# Altium PCB TempdevAmmy0803.PcbDoc (part 3 of 4)
Units mm, origin at the board's own origin, x right, y up, seen from the top; angles counter-clockwise.
Board outline 80.01 x 100.08 mm, 2 copper layers (Top Layer, Bottom Layer); 912 components, 585 nets, 2878 pads, 106 vias.
Unrouted connection lines stored in the file: 2039.
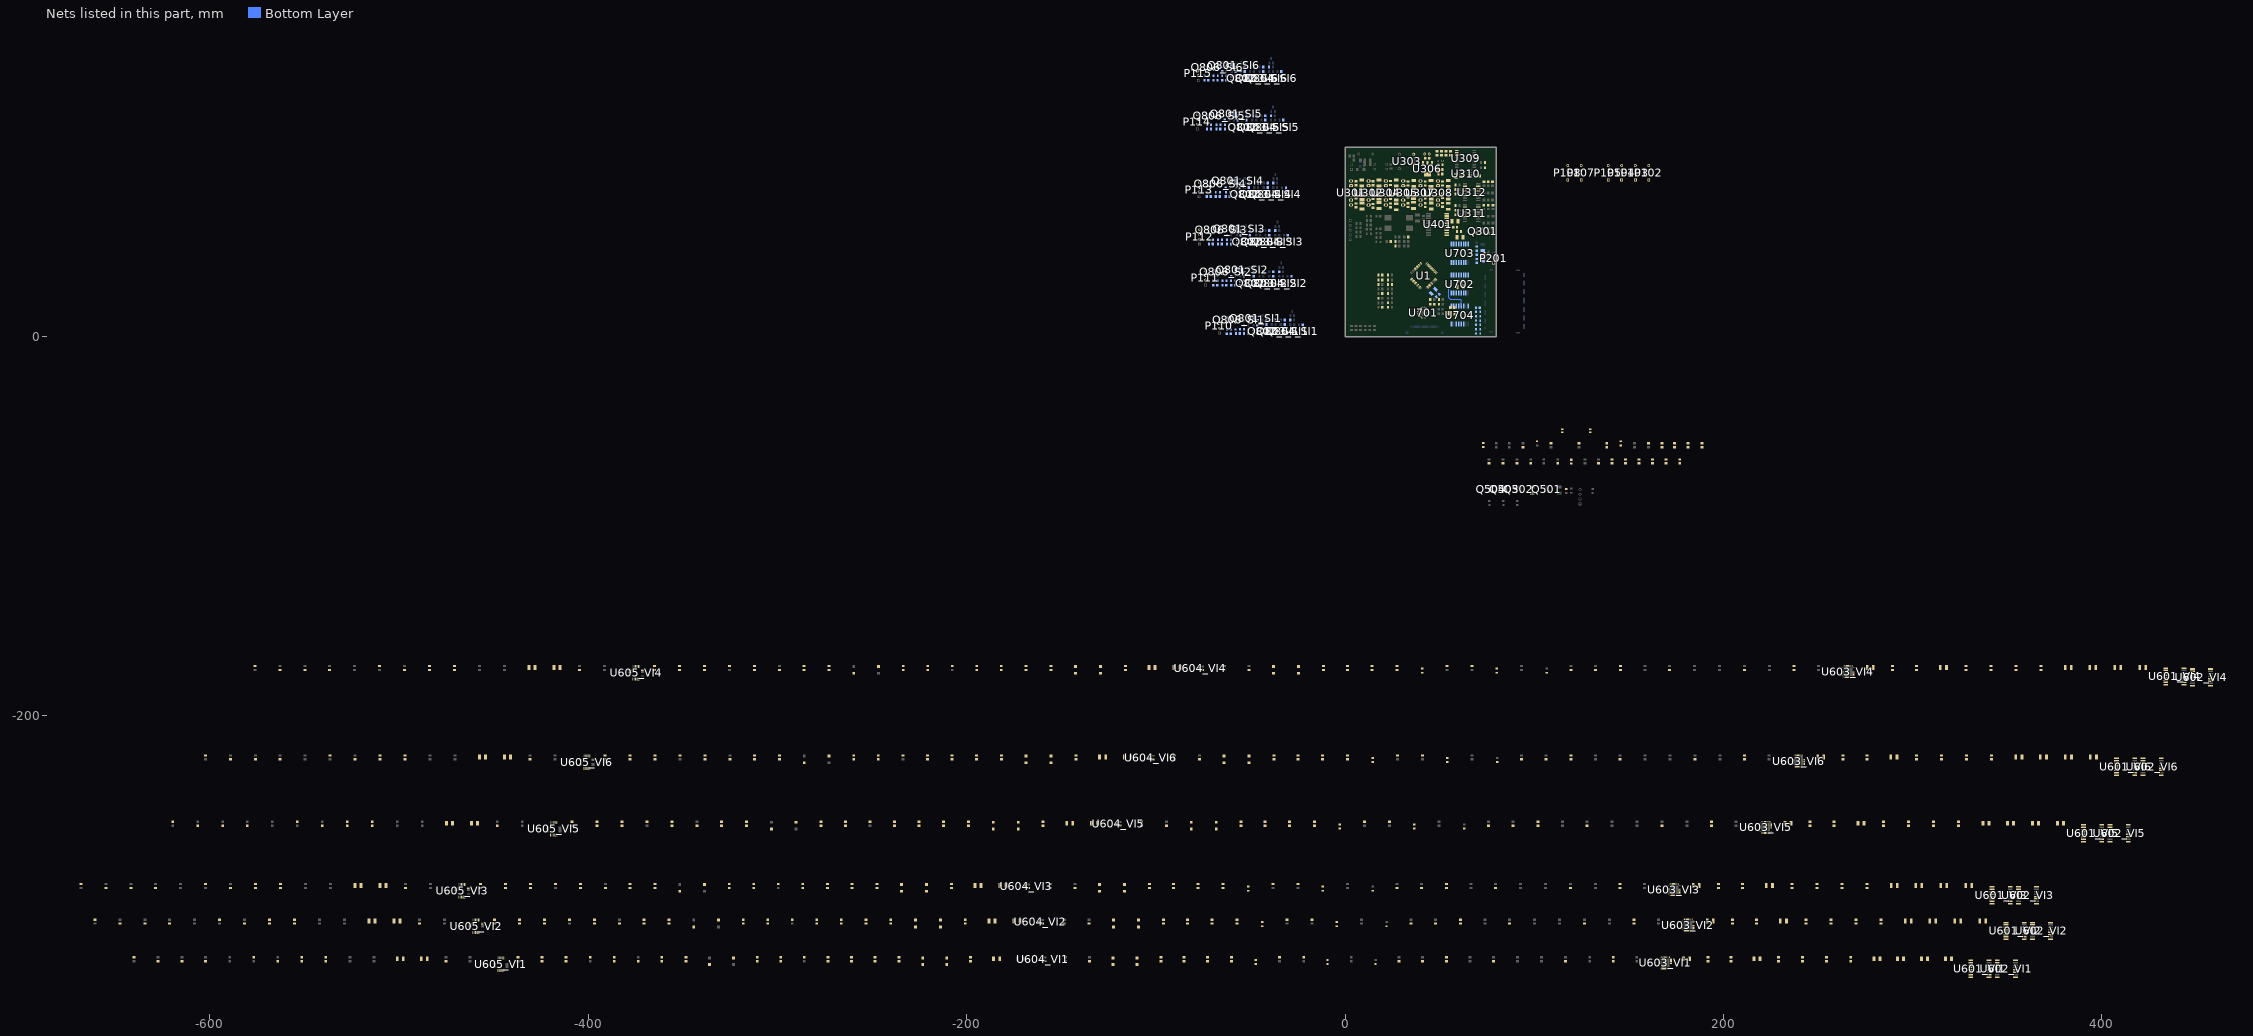
[diagram p3: the nets of this part, all layers, seen from the top]

## Footprints (in the part's own frame and the unit in brackets; to place one, negate y for a bottom-side part, rotate by r counter-clockwise, add the part's x,y. Pads: shape width x height; smd on the part's side, far side on the other; paste and mask are expansions set on the pad)
10D470K [mm]
  round 1.4 hole 0.7: 1(-3.75,0) 2(3.75,0)
  silkscreen extent -6.5,-2.7 6.5,2.7
0805c#1 [mm]
  rect 1.2x1.5 smd: 1(-1.016,0) 2(1.032,0)
  silkscreen extent -2.25,-1.14 2.25,1.14
0805c#2 [mm]
  rect 1.2x1.5 smd: 1(0,0) 2(2.048,0)
  silkscreen extent -1.02,-1.14 3.05,1.14, body extent 0.02,-0.65 2.02,0.66, height 0.73
0805C#1 [mm]
  rect 1.2x1.5 smd: 1(-1.016,0) 2(1.032,0)
  silkscreen extent -2.25,-1.14 2.25,1.14
0805C#2 [mm]
  rect 1.2x1.5 smd: 1(0,0) 2(2.048,0)
  silkscreen extent -1.02,-1.14 3.05,1.14, body extent 0.02,-0.65 2.02,0.66, height 0.73
0805r#1 [mm]
  rect 1.2x1.5 smd: 1(0,0) 2(2.048,0)
  silkscreen extent -1.02,-1.14 3.05,1.14, body extent -0.13,-0.67 2.17,0.68, height 0.76
0805r#2 [mm]
  rect 1.2x1.5 smd: 1(-1.016,0) 2(1.032,0)
  silkscreen extent -2.03,-1.14 2.03,1.14
0805R#1 [mm]
  rect 1.2x1.5 smd: 1(-1.016,0) 2(1.032,0)
  silkscreen extent -2.03,-1.14 2.03,1.14
0805R#2 [mm]
  rect 1.2x1.5 smd: 1(0,0) 2(2.048,0)
  silkscreen extent -1.02,-1.14 3.05,1.14, body extent -0.13,-0.67 2.17,0.68, height 0.76
A_S-1WR3 [mm]
  oval 1.6x2.3 hole 1: 1(0,0) 2(2.54,0) 4(7.62,0) 5(10.16,0) 6(12.7,0)
  silkscreen extent -2.85,-5.6 17.9,1.7
ACM1513-改版 [mm] "原封装引脚错了-改版将引脚更改"
  rect 3.7x2.8 smd: 1(0,0) 2(0,5.611) 3(11.468,5.611) 4(11.468,0)
  silkscreen extent -0.75,-2.54 12.19,8.26
CB [mm] "Tantalum?Capacitor"
  rect 2.5x1.524 smd: 1(0,0) 2(0,-3.2)
  silkscreen extent -1.78,-3.9 1.78,0.51, body extent -1.48,-3.5 1.52,0.2, height 1.57
CE-5*11(-) [mm]
  round 1 hole 0.5: 1(-1.25,0) 2(1.25,0)
  silkscreen extent -3.43,-2.6 3.05,2.6
CE-6.3*11.5(-) [mm]
  round 1.4 hole 0.7: 1(-1.25,0) 2(1.25,0)
  silkscreen extent -4.06,-3.2 3.68,3.2
CP-40-15(QFN40) [mm] "QFN, 40-Leads, Body 6.00x6.00mm, Pitch 0.50mm, Thermal Pad 4.60x4.60mm, IPC Low Density"
  rect 0.95x0.35 smd: 1(-2.975,2.25) 2(-2.975,1.75) 3(-2.975,1.25) 4(-2.975,0.75) 5(-2.975,0.25) 6(-2.975,-0.25) 7(-2.975,-0.75) 8(-2.975,-1.25) 9(-2.975,-1.75) 10(-2.975,-2.25) 21(2.975,-2.25) 22(2.975,-1.75) 23(2.975,-1.25) 24(2.975,-0.75) 25(2.975,-0.25) 26(2.975,0.25) 27(2.975,0.75) 28(2.975,1.25) 29(2.975,1.75) 30(2.975,2.25)
  rect 0.35x0.95 smd: 11(-2.25,-2.975) 12(-1.75,-2.975) 13(-1.25,-2.975) 14(-0.75,-2.975) 15(-0.25,-2.975) 16(0.25,-2.975) 17(0.75,-2.975) 18(1.25,-2.975) 19(1.75,-2.975) 20(2.25,-2.975) 31(2.25,2.975) 32(1.75,2.975) 33(1.25,2.975) 34(0.75,2.975) 35(0.25,2.975) 36(-0.25,2.975) 37(-0.75,2.975) 38(-1.25,2.975) 39(-1.75,2.975) 40(-2.25,2.975)
  rect 4.6x4.6 smd: 41(0,0)
  silkscreen extent -3.97,-3.2 3.2,3.2, body extent -3.1,-3.1 3.1,3.1, height 1
FPC30 [mil]
  rect 11.8x51.2 smd mask+2: 1(0.4,2.2) 2(20,2.2) 3(39.7,2.2) 4(59.3,2.2) 5(79,2.2) 6(98.7,2.2) 7(118.4,2.2) 8(138.1,2.2) 9(157.8,2.2) 10(177.5,2.2) 11(197.1,2.2) 12(216.8,2.2) 13(236.5,2.2) 14(256.2,2.2) 15(275.9,2.2) 16(295.6,2.2) 17(315.3,2.2) 18(334.9,2.2) 19(354.6,2.2) 20(374.3,2.2) 21(394,2.2) 22(413.8,2.2) 23(433.4,2.2) 24(453,2.2) 25(472.7,2.2) 26(492.4,2.2) 27(512.1,2.2) 28(531.8,2.2) 29(551.5,2.2) 30(571.2,2.2)
  rect 59.1x51.2 smd mask+2: 31(-82.3,-123.8) 32(653.9,-123.8)
  silkscreen extent -128,-175 699,-14
FPC60 [mm]
  rect 0.3x0.9 smd: 1(0.01,-0.088) 2(0.51,-0.088) 3(1.01,-0.088) 4(1.51,-0.088) 5(2.01,-0.088) 6(2.51,-0.088) 7(3.01,-0.088) 8(3.51,-0.088) 9(4.01,-0.088) 10(4.51,-0.088) 11(5.01,-0.088) 12(5.51,-0.088) 13(6.01,-0.088) 14(6.51,-0.088) 15(7.01,-0.088) 16(7.51,-0.088) 17(8.01,-0.088) 18(8.51,-0.088) 19(9.01,-0.088) 20(9.51,-0.088) 21(10.01,-0.088) 22(10.51,-0.088) 23(11.01,-0.088) 24(11.51,-0.088) 25(12.01,-0.088) 26(12.51,-0.088) 27(13.01,-0.088) 28(13.51,-0.088) 29(14.01,-0.088) 30(14.51,-0.088) 31(15.01,-0.088) 32(15.51,-0.088) 33(16.01,-0.088) 34(16.51,-0.088) 35(17.01,-0.088) 36(17.51,-0.088) 37(18.01,-0.088) 38(18.51,-0.088) 39(19.01,-0.088) 40(19.51,-0.088) 41(20.01,-0.088) 42(20.51,-0.088) 43(21.01,-0.088) 44(21.51,-0.088) 45(22.01,-0.088) 46(22.51,-0.088) 47(23.01,-0.088) 48(23.51,-0.088) 49(24.01,-0.088) 50(24.51,-0.088) 51(25.01,-0.088) 52(25.51,-0.088) 53(26.01,-0.088) 54(26.51,-0.088) 55(27.01,-0.088) 56(27.51,-0.088) 57(28.01,-0.088) 58(28.51,-0.088) 59(29.01,-0.088) 60(29.51,-0.088)
  rect 0.8x2 smd: 61(31.21,-3.238) 62(-1.69,-3.238)
  silkscreen extent -2.39,-5.59 31.91,-0.05
HDR1X2 [mm] "Connector; Header; 2 Position"
  rect 1.5x1.5 hole 0.9: 1(0,0)
  round 1.5 hole 0.9: 2(2.54,0)
  silkscreen extent -1.27,-1.27 3.81,1.27
HDR1X3 [mm] "Connector; Header; 3 Position"
  rect 1.5x1.5 hole 0.9: 1(0,0)
  round 1.5 hole 0.9: 2(2.54,0) 3(5.08,0)
  silkscreen extent -1.27,-1.27 6.35,1.27
HDR1X4 [mm] "Connector; Header; 4 Position"
  rect 1.5x1.5 hole 0.9: 1(0,0)
  round 1.5 hole 0.9: 2(2.54,0) 3(5.08,0) 4(7.62,0)
  silkscreen extent -1.27,-1.27 8.89,1.27
HDR1X5 [mm] "Connector; Header; 5 Position"
  rect 1.5x1.5 hole 0.9: 1(0,0)
  round 1.5 hole 0.9: 2(2.54,0) 3(5.08,0) 4(7.62,0) 5(10.16,0)
  silkscreen extent -1.27,-1.27 11.43,1.27
LQFP64S(12x12) [mm] "TSQFP, 64-Leads, Body 10.00x10.00mm, Pitch 0.50mm, IPC Medium Density"
  oval 1.45x0.3 smd: 1(0,0) 2(0,-0.5) 3(0,-1) 4(0,-1.5) 5(0,-2) 6(0,-2.5) 7(0,-3) 8(0,-3.5) 9(0,-4) 10(0,-4.5) 11(0,-5) 12(0,-5.5) 13(0,-6) 14(0,-6.5) 15(0,-7) 16(0,-7.5) 33(11.45,-7.5) 34(11.45,-7) 35(11.45,-6.5) 36(11.45,-6) 37(11.45,-5.5) 38(11.45,-5) 39(11.45,-4.5) 40(11.45,-4) 41(11.45,-3.5) 42(11.45,-3) 43(11.45,-2.5) 44(11.45,-2) 45(11.45,-1.5) 46(11.45,-1) 47(11.45,-0.5) 48(11.45,0)
  oval 0.3x1.45 smd: 17(1.975,-9.475) 18(2.475,-9.475) 19(2.975,-9.475) 20(3.475,-9.475) 21(3.975,-9.475) 22(4.475,-9.475) 23(4.975,-9.475) 24(5.475,-9.475) 25(5.975,-9.475) 26(6.475,-9.475) 27(6.975,-9.475) 28(7.475,-9.475) 29(7.975,-9.475) 30(8.475,-9.475) 31(8.975,-9.475) 32(9.475,-9.475) 49(9.475,1.975) 50(8.975,1.975) 51(8.475,1.975) 52(7.975,1.975) 53(7.475,1.975) 54(6.975,1.975) 55(6.475,1.975) 56(5.975,1.975) 57(5.475,1.975) 58(4.975,1.975) 59(4.475,1.975) 60(3.975,1.975) 61(3.475,1.975) 62(2.975,1.975) 63(2.475,1.975) 64(1.975,1.975)
  silkscreen extent -0.12,-8.35 10.33,0.85, body extent 0.72,-8.75 10.72,1.25, height 1.6
S-PQFP-G32 [mm] "TSQFP, 32-Leads, Body 5.00x5.00mm, Pitch 0.50mm, IPC Low Density"
  rect 1.6x0.35 smd: 1(-3.3,1.75) 2(-3.3,1.25) 3(-3.3,0.75) 4(-3.3,0.25) 5(-3.3,-0.25) 6(-3.3,-0.75) 7(-3.3,-1.25) 8(-3.3,-1.75) 17(3.3,-1.75) 18(3.3,-1.25) 19(3.3,-0.75) 20(3.3,-0.25) 21(3.3,0.25) 22(3.3,0.75) 23(3.3,1.25) 24(3.3,1.75)
  rect 0.35x1.6 smd: 9(-1.75,-3.3) 10(-1.25,-3.3) 11(-0.75,-3.3) 12(-0.25,-3.3) 13(0.25,-3.3) 14(0.75,-3.3) 15(1.25,-3.3) 16(1.75,-3.3) 25(1.75,3.3) 26(1.25,3.3) 27(0.75,3.3) 28(0.25,3.3) 29(-0.25,3.3) 30(-0.75,3.3) 31(-1.25,3.3) 32(-1.75,3.3)
  silkscreen extent -3.42,-2.1 2.1,2.6, body extent -3.5,-3.5 3.5,3.5, height 1.2
SO-16 [mm]
  rect 2.2x0.65 smd: 1(0.056,0) 2(0.056,-1.27) 3(0.056,-2.54) 4(0.056,-3.81) 5(0.056,-5.08) 6(0.056,-6.35) 7(0.056,-7.62) 8(0.056,-8.89) 9(7.056,-8.89) 10(7.056,-7.62) 11(7.056,-6.35) 12(7.056,-5.08) 13(7.056,-3.81) 14(7.056,-2.54) 15(7.056,-1.27) 16(7.056,0)
  silkscreen extent -0.07,-9.74 5.56,1
sod123 [mm]
  rect 1.5x1.5 smd: 1(0,0) 2(3.556,0)
  silkscreen extent -1.27,-1.27 4.83,1.27, body extent -0.2,-0.8 3.5,0.8, height 1.27
SOD123 [mm]
  rect 1.5x1.5 smd: 1(-1.778,0) 2(1.778,0)
  silkscreen extent -2.92,-1.14 3.05,1.14
SOD323 [mm]
  rect 1x1.2 smd: 1(-1.1,0)
  rect 1x1.3 smd: 2(1.1,0)
  silkscreen extent -2.41,-1 2,1
SOD523 [mm]
  rect 0.9x1.2 smd: 1(-0.8,0) 2(0.8,0)
  silkscreen extent -1.91,-0.8 1.3,0.8
SOIC-8 [mm]
  oval 2.2x0.6 smd: 1(-2.4,1.905) 2(-2.4,0.635) 3(-2.4,-0.635) 4(-2.4,-1.905) 5(2.4,-1.905) 6(2.4,-0.635) 7(2.4,0.635) 8(2.4,1.905)
  silkscreen extent -2.53,-2.5 0.9,2.88
SOIC-16 [mm]
  rect 2.54x0.8 smd: 1(0,0) 2(0,-1.27) 3(0,-2.54) 4(0,-3.81) 5(0,-5.08) 6(0,-6.35) 7(0,-7.62) 8(0,-8.89) 9(9.65,-8.89) 10(9.65,-7.62) 11(9.65,-6.35) 12(9.65,-5.08) 13(9.65,-3.81) 14(9.65,-2.54) 15(9.65,-1.27) 16(9.65,0)
  silkscreen extent -0.12,-10.94 8.23,2.05
SOIC-16(RI-16-2) [mm]
  rect 2.54x0.8 smd: 1(-4.825,4.445) 2(-4.825,3.175) 3(-4.825,1.905) 4(-4.825,0.635) 5(-4.825,-0.635) 6(-4.825,-1.905) 7(-4.825,-3.175) 8(-4.825,-4.445) 9(4.825,-4.445) 10(4.825,-3.175) 11(4.825,-1.905) 12(4.825,-0.635) 13(4.825,0.635) 14(4.825,1.905) 15(4.825,3.175) 16(4.825,4.445)
  silkscreen extent -4.95,-6.5 3.4,6.5, body extent -5.15,-6.5 5.15,6.5, height 2.64
SOIC-20-W [mm]
  rect 2.5x0.85 smd: 1(-0.024,0) 2(-0.024,-1.27) 3(-0.024,-2.54) 4(-0.024,-3.81) 5(-0.024,-5.08) 6(-0.024,-6.35) 7(-0.024,-7.62) 8(-0.024,-8.89) 9(-0.024,-10.16) 10(-0.024,-11.43) 11(9.676,-11.43) 12(9.676,-10.16) 13(9.676,-8.89) 14(9.676,-7.62) 15(9.676,-6.35) 16(9.676,-5.08) 17(9.676,-3.81) 18(9.676,-2.54) 19(9.676,-1.27) 20(9.676,0)
  silkscreen extent -0.15,-12.21 8.23,1
SOP16-1.27(V2) [mm] "金升阳2"
  rect 2x0.6 smd: 1(0,0)
  oval 2x0.6 smd: 2(0,-1.27) 3(0,-2.54) 4(0,-3.81) 5(0,-5.08) 6(0,-6.35) 7(0,-7.62) 8(0,-8.89) 9(9.3,-8.89) 10(9.3,-7.62) 11(9.3,-6.35) 12(9.3,-5.08) 13(9.3,-3.81) 14(9.3,-2.54) 15(9.3,-1.27) 16(9.3,0)
  oval 0.7x0.5 on Top Overlay mask+0.051: ""(0.21,0.762)
  silkscreen extent 0.95,-9.74 8.35,0.78
SOT563 [mm]
  rect 0.8x0.25 smd: 1(-0.038,-0.008) 2(-0.038,-0.508) 3(-0.038,-1.008) 4(1.562,-1.008) 5(1.562,-0.508) 6(1.562,-0.008)
  silkscreen extent -0.76,-1.65 2.29,1.14
SOT-23(SS8050) [mm]
  rect 1x1.6 smd: 1(0,0) 2(1.91,0) 3(0.955,2.335)
  silkscreen extent -0.5,0.14 2.42,2.34
SOT-23-3 [mm]
  rect 1x1.524 smd: 1(0,0) 2(1.9,0) 3(0.95,2.2)
  silkscreen extent -1.14,0 3.05,2.29, body extent -0.55,-0.23 2.45,2.27, height 0.55
SOT-23-BJT [mm]
  rect 2.6x2.05 smd: 1(0.95,2.159)
  rect 1x1.5 smd: 2(0,0) 3(1.9,0)
  silkscreen extent -1.27,-0.13 3.05,2.67
SOT-223 [mm]
  rect 2.465x1.05 smd: 1(0,-2.3) 2(0,0) 3(0,2.3)
  rect 2.465x3.54 smd: 2(-5.715,0)
  silkscreen extent -4.25,-3.4 -1.46,3.4
TI-RHB32-3150X3150TP_V [mm]
  oval 0.85x0.28 smd: 1(-2.475,1.75) 2(-2.475,1.25) 3(-2.475,0.75) 4(-2.475,0.25) 5(-2.475,-0.25) 6(-2.475,-0.75) 7(-2.475,-1.25) 8(-2.475,-1.75) 17(2.475,-1.75) 18(2.475,-1.25) 19(2.475,-0.75) 20(2.475,-0.25) 21(2.475,0.25) 22(2.475,0.75) 23(2.475,1.25) 24(2.475,1.75)
  oval 0.28x0.85 smd: 9(-1.75,-2.475) 10(-1.25,-2.475) 11(-0.75,-2.475) 12(-0.25,-2.475) 13(0.25,-2.475) 14(0.75,-2.475) 15(1.25,-2.475) 16(1.75,-2.475) 25(1.75,2.475) 26(1.25,2.475) 27(0.75,2.475) 28(0.25,2.475) 29(-0.25,2.475) 30(-0.75,2.475) 31(-1.25,2.475) 32(-1.75,2.475)
  rect 3.15x3.15 smd: 33(0,0)
  silkscreen extent -3.35,-2.58 2.58,2.57
VSL4012 [mm]
  rect 4x1.5 smd: 1(0,1.5)
  rect 4x1.3 smd: 2(0,-1.5)
  silkscreen extent -2.5,-2.5 2.5,2.5
WRB_SD-3WR2 [mm] "金升阳"
  round 1.6 hole 0.8: 1(0,0) 4(0,-7.62) 5(7.62,-7.62) 6(7.62,-5.08) 7(7.62,-2.54)
  silkscreen extent -3.44,-11.06 11.06,3.44

## Part data
C201 C203 C303 C304 C307 C310 C311 C312 C313 C317 C320 C321 C324 C325 C326 C327 C332 C333 C336 C337 C340 C341 C342 C343 C348 C349 C351 C403 C404 C405 C406 C501 C504 C605_VI1 C605_VI2 C605_VI3 C605_VI4 C605_VI5 C605_VI6 C606_VI1 C606_VI2 C606_VI3 C606_VI4 C606_VI5 C606_VI6 C607_VI1 C607_VI2 C607_VI3 C607_VI4 C607_VI5 C607_VI6 C608_VI1 C608_VI2 C608_VI3 C608_VI4 C608_VI5 C608_VI6 C611_VI1 C611_VI2 C611_VI3 C611_VI4 C611_VI5 C611_VI6 C612_VI1 C612_VI2 C612_VI3 C612_VI4 C612_VI5 C612_VI6 C613_VI1 C613_VI2 C613_VI3 C613_VI4 C613_VI5 C613_VI6 C614_VI1 C614_VI2 C614_VI3 C614_VI4 C614_VI5 C614_VI6 C615_VI1 C615_VI2 C615_VI3 C615_VI4 C615_VI5 C615_VI6 C616_VI1 C616_VI2 C616_VI3 C616_VI4 C616_VI5 C616_VI6 C617_VI1 C617_VI2 C617_VI3 C617_VI4 C617_VI5 C617_VI6 C620_VI1 C620_VI2 C620_VI3 C620_VI4 C620_VI5 C620_VI6 C621_VI1 C621_VI2 C621_VI3 C621_VI4 C621_VI5 C621_VI6 C622_VI1 C622_VI2 C622_VI3 C622_VI4 C622_VI5 C622_VI6 C623_VI1 C623_VI2 C623_VI3 C623_VI4 C623_VI5 C623_VI6 C624_VI1 C624_VI2 C624_VI3 C624_VI4 C624_VI5 C624_VI6 C627_VI1 C627_VI2 C627_VI3 C627_VI4 C627_VI5 C627_VI6 C628_VI1 C628_VI2 C628_VI3 C628_VI4 C628_VI5 C628_VI6 C629_VI1 C629_VI2 C629_VI3 C629_VI4 C629_VI5 C629_VI6 C630_VI1 C630_VI2 C630_VI3 C630_VI4 C630_VI5 C630_VI6 C631_VI1 C631_VI2 C631_VI3 C631_VI4 C631_VI5 C631_VI6 C632_VI1 C632_VI2 C632_VI3 C632_VI4 C632_VI5 C632_VI6 C633_VI1 C633_VI2 C633_VI3 C633_VI4 C633_VI5 C633_VI6 C703 C704 C705 C706 C707 C708 C709 C710 C711 C712 C713 C715 C717 C719 C801_SI1 C801_SI2 C801_SI3 C801_SI4 C801_SI5 C801_SI6 C802_SI1 C802_SI2 C802_SI3 C802_SI4 C802_SI5 C802_SI6 C803_SI1 C803_SI2 C803_SI3 C803_SI4 C803_SI5 C803_SI6 C804_SI1 C804_SI2 C804_SI3 C804_SI4 C804_SI5 C804_SI6 C805_SI1 C805_SI2 C805_SI3 C805_SI4 C805_SI5 C805_SI6: library part Cap, "Capacitor"
  C303 C304 C307 C310 C311 C312 C313 C317 C320 C321 C324 C325 C326 C327 C332 C333 C336 C337 C340 C341 C342 C343 C348 C349 C351 C403 C404 C405 C406 C605_VI1 C605_VI2 C605_VI3 C605_VI4 C605_VI5 C605_VI6 C606_VI1 C606_VI2 C606_VI3 C606_VI4 C606_VI5 C606_VI6 C607_VI1 C607_VI2 C607_VI3 C607_VI4 C607_VI5 C607_VI6 C608_VI1 C608_VI2 C608_VI3 C608_VI4 C608_VI5 C608_VI6 C611_VI1 C611_VI2 C611_VI3 C611_VI4 C611_VI5 C611_VI6 C612_VI1 C612_VI2 C612_VI3 C612_VI4 C612_VI5 C612_VI6 C613_VI1 C613_VI2 C613_VI3 C613_VI4 C613_VI5 C613_VI6 C614_VI1 C614_VI2 C614_VI3 C614_VI4 C614_VI5 C614_VI6 C615_VI1 C615_VI2 C615_VI3 C615_VI4 C615_VI5 C615_VI6 C616_VI1 C616_VI2 C616_VI3 C616_VI4 C616_VI5 C616_VI6 C617_VI1 C617_VI2 C617_VI3 C617_VI4 C617_VI5 C617_VI6 C620_VI1 C620_VI2 C620_VI3 C620_VI4 C620_VI5 C620_VI6 C621_VI1 C621_VI2 C621_VI3 C621_VI4 C621_VI5 C621_VI6 C622_VI1 C622_VI2 C622_VI3 C622_VI4 C622_VI5 C622_VI6 C623_VI1 C623_VI2 C623_VI3 C623_VI4 C623_VI5 C623_VI6 C624_VI1 C624_VI2 C624_VI3 C624_VI4 C624_VI5 C624_VI6 C627_VI1 C627_VI2 C627_VI3 C627_VI4 C627_VI5 C627_VI6 C628_VI1 C628_VI2 C628_VI3 C628_VI4 C628_VI5 C628_VI6 C629_VI1 C629_VI2 C629_VI3 C629_VI4 C629_VI5 C629_VI6 C630_VI1 C630_VI2 C630_VI3 C630_VI4 C630_VI5 C630_VI6 C631_VI1 C631_VI2 C631_VI3 C631_VI4 C631_VI5 C631_VI6 C632_VI1 C632_VI2 C632_VI3 C632_VI4 C632_VI5 C632_VI6 C633_VI1 C633_VI2 C633_VI3 C633_VI4 C633_VI5 C633_VI6 C703 C704 C705 C706 C707 C708 C709 C710 C711 C712 C713 C715 C717 C719 C801_SI1 C801_SI2 C801_SI3 C801_SI4 C801_SI5 C801_SI6 C802_SI1 C802_SI2 C802_SI3 C802_SI4 C802_SI5 C802_SI6 C803_SI1 C803_SI2 C803_SI3 C803_SI4 C803_SI5 C803_SI6 C804_SI1 C804_SI2 C804_SI3 C804_SI4 C804_SI5 C804_SI6 C805_SI1 C805_SI2 C805_SI3 C805_SI4 C805_SI5 C805_SI6: LatestRevisionDate=17-Jul-2002, LatestRevisionNote="Re-released for DXP Platform.", PackageDescription="Radial Cap, Thru-Hole; 2 Leads; 0.3 in Pin Spacing", PackageReference=RAD-0.3, Published=8-Jun-2000, Publisher="Altium Limited"
C202 C301 C302 C305 C306 C308 C309 C314 C315 C316 C318 C319 C322 C323 C328 C329 C330 C331 C334 C335 C338 C339 C344 C345 C346 C347 C350 C401 C402 C502 C503 C601_VI1 C601_VI2 C601_VI3 C601_VI4 C601_VI5 C601_VI6 C602_VI1 C602_VI2 C602_VI3 C602_VI4 C602_VI5 C602_VI6 C603_VI1 C603_VI2 C603_VI3 C603_VI4 C603_VI5 C603_VI6 C604_VI1 C604_VI2 C604_VI3 C604_VI4 C604_VI5 C604_VI6 C609_VI1 C609_VI2 C609_VI3 C609_VI4 C609_VI5 C609_VI6 C610_VI1 C610_VI2 C610_VI3 C610_VI4 C610_VI5 C610_VI6 C618_VI1 C618_VI2 C618_VI3 C618_VI4 C618_VI5 C618_VI6 C619_VI1 C619_VI2 C619_VI3 C619_VI4 C619_VI5 C619_VI6 C625_VI1 C625_VI2 C625_VI3 C625_VI4 C625_VI5 C625_VI6 C626_VI1 C626_VI2 C626_VI3 C626_VI4 C626_VI5 C626_VI6 C701 C702 C714 C716 C718: library part "Cap Pol1", "Polarized Capacitor (Radial)", LatestRevisionDate=17-Jul-2002, LatestRevisionNote="Re-released for DXP Platform.", PackageDescription="Polarized Capacitor (Radial); 2 Leads", PackageReference=RB7.6-15, Published=8-Jun-2000, Publisher="Altium Limited"
D201 D202 D203 D204 D205 D206 D301 D302 D303 D304 D305 D306 D307 D308 D502 D507 D512 D513 D514 D604_VI1 D604_VI2 D604_VI3 D604_VI4 D604_VI5 D604_VI6 D605_VI1 D605_VI2 D605_VI3 D605_VI4 D605_VI5 D605_VI6 D606_VI1 D606_VI2 D606_VI3 D606_VI4 D606_VI5 D606_VI6 D607_VI1 D607_VI2 D607_VI3 D607_VI4 D607_VI5 D607_VI6 D608_VI1 D608_VI2 D608_VI3 D608_VI4 D608_VI5 D608_VI6 D609_VI1 D609_VI2 D609_VI3 D609_VI4 D609_VI5 D609_VI6: library part Diode, "Default Diode", Code_JEDEC=DO-214-AB, LatestRevisionDate=17-Jul-2002, LatestRevisionNote="Re-released for DXP Platform.", PackageDescription="DO-214-AB/SMC; 2 C-Bend Leads; Body 7.9 x 5.9 mm, inc. leads (LxW)", PackageReference=SMC, PackageVersion=Sep-1996, Published=8-Jun-2000, Publisher="Altium Limited"
D401 D402 D403 D501 D503 D504 D505 D506 D601_VI1 D601_VI2 D601_VI3 D601_VI4 D601_VI5 D601_VI6 D602_VI1 D602_VI2 D602_VI3 D602_VI4 D602_VI5 D602_VI6 D603_VI1 D603_VI2 D603_VI3 D603_VI4 D603_VI5 D603_VI6: library part "D Zener", "Zener Diode", LatestRevisionDate=17-Jul-2002, LatestRevisionNote="Re-released for DXP Platform.", PackageDescription="Diode, Thru-Hole; 2 Leads; 0.7 in Pin Spacing", PackageReference=DIODE-0.7, Published=8-Jun-2000, Publisher="Altium Limited"
D801_SI1 D801_SI2 D801_SI3 D801_SI4 D801_SI5 D801_SI6 D802_SI1 D802_SI2 D802_SI3 D802_SI4 D802_SI5 D802_SI6 D803_SI1 D803_SI2 D803_SI3 D803_SI4 D803_SI5 D803_SI6 D804_SI1 D804_SI2 D804_SI3 D804_SI4 D804_SI5 D804_SI6: library part "TVS DIODE"
F301: "Fuse", LatestRevisionDate=17-Jul-2002, LatestRevisionNote="Re-released for DXP Platform.", PackageDescription="Thru-Hole; 2 Leads", PackageReference=PIN-W2/E2.8, Published=8-Jun-2000, Publisher="Altium Limited"
L301 L501 L502 L601_VI1 L601_VI2 L601_VI3 L601_VI4 L601_VI5 L601_VI6 L602_VI1 L602_VI2 L602_VI3 L602_VI4 L602_VI5 L602_VI6 L603_VI1 L603_VI2 L603_VI3 L603_VI4 L603_VI5 L603_VI6 L701 L702: library part Inductor
MOV401 MOV402 PTC401 PTC402: library part "Res Varistor", Code_IPC=RESC2012, LatestRevisionDate=29-May-2009, LatestRevisionNote="IPC-7351 Footprint Added.", PackageDescription="Chip Resistor 0805 Case Size", PackageReference=6-0805, PackageVersion=Mar-2003, Published=24-Mar-1999, Publisher="Altium Limited"
NTC701 R303: library part "Res Varistor", "Varistor (Voltage-Sensitive Resistor)", Code_IPC=RESC2012, LatestRevisionDate=29-May-2009, LatestRevisionNote="IPC-7351 Footprint Added.", PackageDescription="Chip Resistor 0805 Case Size", PackageReference=6-0805, PackageVersion=Mar-2003, Published=24-Mar-1999, Publisher="Altium Limited"
P101: "Header, 2-Pin", LatestRevisionDate=17-Jul-2002, LatestRevisionNote="Re-released for DXP Platform.", Publisher="Altium Limited"
P102 P103 P104 P105 P107 P108 P110 P111 P112 P113 P114 P115 P501: "Header, 4-Pin", LatestRevisionDate=17-Jul-2002, LatestRevisionNote="Re-released for DXP Platform.", Publisher="Altium Limited"
P106: "Header, 5-Pin", LatestRevisionDate=17-Jul-2002, LatestRevisionNote="Re-released for DXP Platform.", Publisher="Altium Limited"
P201: "Header, 3-Pin", LatestRevisionDate=17-Jul-2002, LatestRevisionNote="Re-released for DXP Platform.", Publisher="Altium Limited"
Q301 Q501 Q502 Q503 Q504 Q803_SI1 Q803_SI2 Q803_SI3 Q803_SI4 Q803_SI5 Q803_SI6: library part NPN, "NPN Bipolar Transistor", Code_JEDEC=TO-226-AA, LatestRevisionDate=17-Jul-2002, LatestRevisionNote="Re-released for DXP Platform.", PackageDescription="TO, Flat Index; 3 In-Line, Axial Leads; Body Dia. 4.8mm; Leads 0.55 x 0.51 mm (max)", PackageReference=TO-226-AA, Published=8-Jun-2000, Publisher="Altium Limited"
Q801_SI1 Q801_SI2 Q801_SI3 Q801_SI4 Q801_SI5 Q801_SI6 Q802_SI1 Q802_SI2 Q802_SI3 Q802_SI4 Q802_SI5 Q802_SI6 Q804_SI1 Q804_SI2 Q804_SI3 Q804_SI4 Q804_SI5 Q804_SI6: library part PNP, "PNP Bipolar Transistor", LatestRevisionDate=29-May-2009, LatestRevisionNote="IPC-7351 Footprint Added.", PackageDescription="3-Pin SOT-23 Package 0.95 mm Pitch, 2.4 mm Lead Span", PackageReference=SOT-23B, PackageVersion=Aug-1999, Published=8-Jun-2000, Publisher="Altium Limited"
Q805_SI1 Q805_SI2 Q805_SI3 Q805_SI4 Q805_SI5 Q805_SI6: library part MOSFET-N, "N-Channel MOSFET", LatestRevisionDate=17-Jul-2002, LatestRevisionNote="Re-released for DXP Platform.", PackageDescription="TO, Flat Index; 3 In-Line, Axial Leads; Body Dia. 4.6mm; Lead Dia. 0.5 mm (max)", PackageReference=E3, PackageVersion=1995/1996, Published=8-Jun-2000, Publisher="Altium Limited"
R201 R202 R203 R204 R205 R206 R207 R208 R209 R210 R211 R212 R213 R301 R302 R304 R305 R306 R307 R308 R309 R310 R311 R312 R313 R314 R315 R316 R317 R318 R319 R320 R401 R402 R403 R404 R405 R501 R502 R503 R504 R505 R506 R507 R508 R509 R510 R511 R512 R513 R514 R515 R516 R517 R518 R519 R520 R521 R522 R523 R524 R601_VI1 R601_VI2 R601_VI3 R601_VI4 R601_VI5 R601_VI6 R602_VI1 R602_VI2 R602_VI3 R602_VI4 R602_VI5 R602_VI6 R603_VI1 R603_VI2 R603_VI3 R603_VI4 R603_VI5 R603_VI6 R604_VI1 R604_VI2 R604_VI3 R604_VI4 R604_VI5 R604_VI6 R605_VI1 R605_VI2 R605_VI3 R605_VI4 R605_VI5 R605_VI6 R606_VI1 R606_VI2 R606_VI3 R606_VI4 R606_VI5 R606_VI6 R607_VI1 R607_VI2 R607_VI3 R607_VI4 R607_VI5 R607_VI6 R608_VI1 R608_VI2 R608_VI3 R608_VI4 R608_VI5 R608_VI6 R609_VI1 R609_VI2 R609_VI3 R609_VI4 R609_VI5 R609_VI6 R610_VI1 R610_VI2 R610_VI3 R610_VI4 R610_VI5 R610_VI6 R611_VI1 R611_VI2 R611_VI3 R611_VI4 R611_VI5 R611_VI6 R612_VI1 R612_VI2 R612_VI3 R612_VI4 R612_VI5 R612_VI6 R613_VI1 R613_VI2 R613_VI3 R613_VI4 R613_VI5 R613_VI6 R614_VI1 R614_VI2 R614_VI3 R614_VI4 R614_VI5 R614_VI6 R615_VI1 R615_VI2 R615_VI3 R615_VI4 R615_VI5 R615_VI6 R616_VI1 R616_VI2 R616_VI3 R616_VI4 R616_VI5 R616_VI6 R617_VI1 R617_VI2 R617_VI3 R617_VI4 R617_VI5 R617_VI6 R618_VI1 R618_VI2 R618_VI3 R618_VI4 R618_VI5 R618_VI6 R619_VI1 R619_VI2 R619_VI3 R619_VI4 R619_VI5 R619_VI6 R620_VI1 R620_VI2 R620_VI3 R620_VI4 R620_VI5 R620_VI6 R621_VI1 R621_VI2 R621_VI3 R621_VI4 R621_VI5 R621_VI6 R622_VI1 R622_VI2 R622_VI3 R622_VI4 R622_VI5 R622_VI6 R623_VI1 R623_VI2 R623_VI3 R623_VI4 R623_VI5 R623_VI6 R624_VI1 R624_VI2 R624_VI3 R624_VI4 R624_VI5 R624_VI6 R625_VI1 R625_VI2 R625_VI3 R625_VI4 R625_VI5 R625_VI6 R626_VI1 R626_VI2 R626_VI3 R626_VI4 R626_VI5 R626_VI6 R627_VI1 R627_VI2 R627_VI3 R627_VI4 R627_VI5 R627_VI6 R628_VI1 R628_VI2 R628_VI3 R628_VI4 R628_VI5 R628_VI6 R629_VI1 R629_VI2 R629_VI3 R629_VI4 R629_VI5 R629_VI6 R701 R702 R703 R704 R705 R706 R707 R708 R801_SI1 R801_SI2 R801_SI3 R801_SI4 R801_SI5 R801_SI6 R802_SI1 R802_SI2 R802_SI3 R802_SI4 R802_SI5 R802_SI6 R803_SI1 R803_SI2 R803_SI3 R803_SI4 R803_SI5 R803_SI6 R804_SI1 R804_SI2 R804_SI3 R804_SI4 R804_SI5 R804_SI6 R805_SI1 R805_SI2 R805_SI3 R805_SI4 R805_SI5 R805_SI6 R806_SI1 R806_SI2 R806_SI3 R806_SI4 R806_SI5 R806_SI6 R807_SI1 R807_SI2 R807_SI3 R807_SI4 R807_SI5 R807_SI6 R808_SI1 R808_SI2 R808_SI3 R808_SI4 R808_SI5 R808_SI6 R809_SI1 R809_SI2 R809_SI3 R809_SI4 R809_SI5 R809_SI6 R810_SI1 R810_SI2 R810_SI3 R810_SI4 R810_SI5 R810_SI6 R811_SI1 R811_SI2 R811_SI3 R811_SI4 R811_SI5 R811_SI6 R812_SI1 R812_SI2 R812_SI3 R812_SI4 R812_SI5 R812_SI6 R813_SI1 R813_SI2 R813_SI3 R813_SI4 R813_SI5 R813_SI6 R814_SI1 R814_SI2 R814_SI3 R814_SI4 R814_SI5 R814_SI6 R815_SI1 R815_SI2 R815_SI3 R815_SI4 R815_SI5 R815_SI6 R816_SI1 R816_SI2 R816_SI3 R816_SI4 R816_SI5 R816_SI6 R817_SI1 R817_SI2 R817_SI3 R817_SI4 R817_SI5 R817_SI6 R818_SI1 R818_SI2 R818_SI3 R818_SI4 R818_SI5 R818_SI6 R819_SI1 R819_SI2 R819_SI3 R819_SI4 R819_SI5 R819_SI6: library part Res2, "Resistor", LatestRevisionDate=17-Jul-2002, LatestRevisionNote="Re-released for DXP Platform.", PackageDescription="Axial Device, Thru-Hole; 2 Leads; 0.4 in Pin Spacing", PackageReference=AXIAL-0.4, Published=8-Jun-2000, Publisher="Altium Limited"